# KiCad board srvant.kicad_pcb (continued)
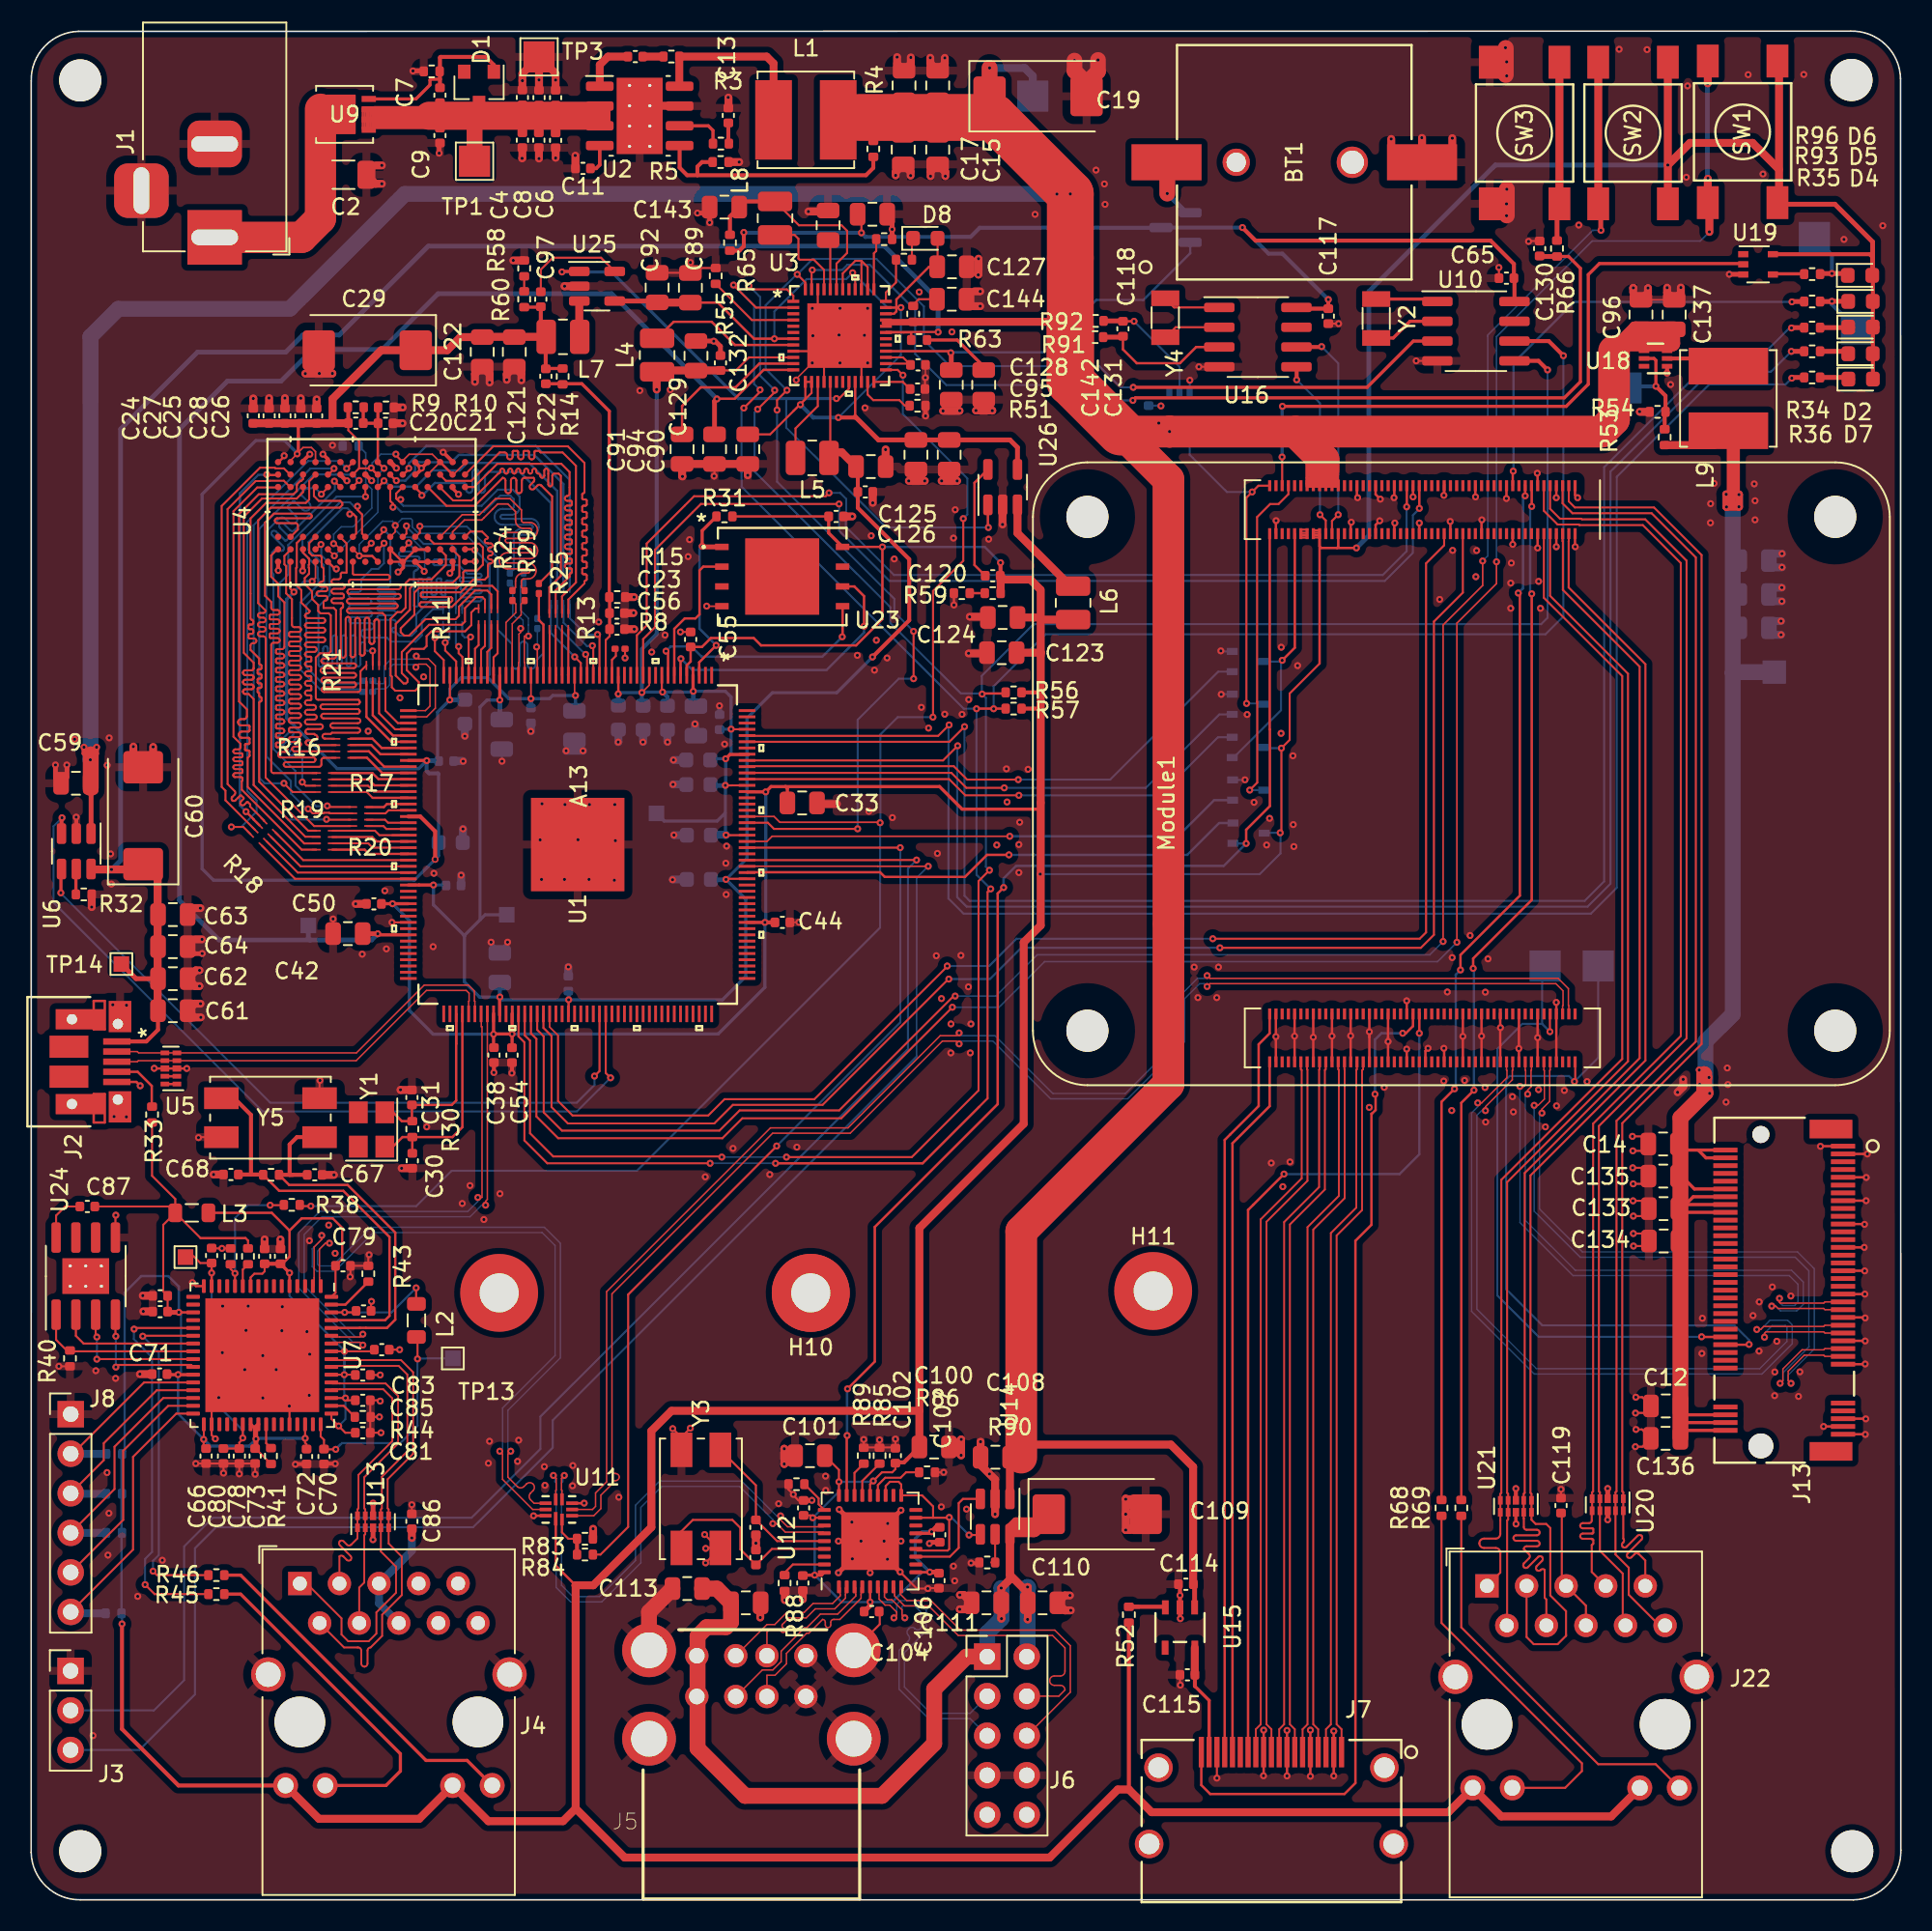
[diagram p0: board, top side]
## Nets (continued)
GND: BT1.2 C1.2 C2.2 C3.2 C4.2 C5.2 C6.2 C8.2 C9.2 C11.2 C12.2 C13.2 C14.2 C15.2 C16.2 C17.2 C18.2 C19.2 C21.2 C23.2 C24.2 C25.2 C26.2 C27.2 C28.2 C29.2 C30.1 C31.1 C32.1 C33.1 C34.1 C35.1 C36.1 C37.1 C38.1 C39.1 C40.1 C41.1 C42.2 C43.1 C44.1 C45.1 C46.1 C47.1 C48.1 C49.1 C50.1 C51.1 C52.1 C53.1 C54.1 C55.1 C56.1 C57.1 C58.1 C59.2 C60.2 C61.2 C62.2 C63.2 C64.2 C65.1 C66.2 C67.1 C68.1 C69.1 C70.2 C71.1 C72.1 C73.1 C74.2 C75.1 C76.2 C77.2 C78.2 C79.2 C80.2 C81.2 C82.2 C83.2 C84.2 C85.2 C86.2 C88.2 C89.1 C90.2 C91.2 C92.2 C93.2 C94.2 C95.2 C96.2 C98.2 C99.2 C100.2 C101.2 C102.2 C103.2 C104.2 C105.2 C106.2 C107.2 C108.2 C109.2 C110.2 C111.2 C112.2 C113.2 C114.2 C115.2 C116.2 C117.2 C119.2 C121.2 C122.2 C123.2 C124.2 C125.1 C126.2 C127.1 C128.2 C129.2 C130.2 C131.1 C132.1 C133.2 C134.2 C135.2 C136.2 C137.2 C138.2 C139.2 C140.2 C141.1 C142.1 C143.1 C144.1 C145.1 J1.2 J1.3 J2.5 J2.6 J3.1 J4.SH J5.4 J5.8 J5.MT1 J5.MT2 J5.MT3 J5.MT4 J6.7 J6.8 J7.2 J7.5 J7.8 J7.11 J7.17 J8.1 J13.1 J13.3 J13.9 J13.15 J13.21 J13.27 J13.33 J13.39 J13.45 J13.51 J13.57 J13.71 J13.73 J13.75 J22.SH Module1.1 Module1.2 Module1.7 Module1.8 Module1.13 Module1.14 Module1.22 Module1.23 Module1.32 Module1.33 Module1.42 Module1.43 Module1.52 Module1.53 Module1.59 Module1.60 Module1.65 Module1.66 Module1.71 Module1.74 Module1.98 Module1.107 Module1.108 Module1.113 Module1.114 Module1.119 Module1.120 Module1.125 Module1.126 Module1.131 Module1.132 Module1.137 Module1.138 Module1.144 Module1.150 Module1.155 Module1.156 Module1.161 Module1.162 Module1.167 Module1.168 Module1.173 Module1.174 Module1.179 Module1.180 Module1.185 Module1.186 Module1.191 Module1.192 Module1.197 Module1.198 Q1.2 Q2.2 Q5.2 R1.2 R5.2 R6.2 R8.1 R10.2 R15.2 R32.2 R39.2 R40.1 R43.1 R44.1 R51.1 R54.2 R55.1 R58.2 R59.2 R62.2 R83.2 R85.2 R86.2 R87.2 R88.1 R89.2 R90.2 SW3.3 SW3.4 TP3.1 U1.79 U1.177 U2.7 U2.9 U3.9 U3.16 U3.22 U3.46 U3.49 U4.A9 U4.B1 U4.B3 U4.B9 U4.D1 U4.D8 U4.E1 U4.E2 U4.E8 U4.F9 U4.G1 U4.G8 U4.G9 U4.J2 U4.J8 U4.L2 U4.M1 U4.M9 U4.P1 U4.P9 U4.T1 U4.T9 U5.3 U5.8 U6.2 U7.16 U7.34 U7.44 U7.65 U10.4 U11.5 U11.10 U12.37 U13.3 U13.8 U14.2 U15.2 U16.4 U17.3 U18.1 U19.3 U20.3 U20.8 U21.3 U21.8 U23.4 U24.5 U25.2 U26.2 Y3.2 Y3.4 Y5.2 Y5.4
/a13 connectors/BMC_DANGER_LED: R35.2 U1.171
/a13 connectors/BMC_ID_LED: R36.2 U1.172
/a13 connectors/BMC_nRPIBOOT: Q5.1 U1.155
/a13 connectors/BMC_POST_COMPLETE: Q3.2 U1.150
/a13 connectors/BMC_POWER_BUTTON: SW1.1 SW1.2 U1.103
/a13 connectors/BMC_POWER_LED: R34.2 U1.168
/a13 connectors/BMC_POWER_OUT: Q1.1 U1.166
/a13 connectors/BMC_PS_PWROK: Q4.2 U1.165
/a13 connectors/BMC_RESET_BUTTON: SW2.1 SW2.2 U1.104
/a13 connectors/BMC_RESET_OUT: Q2.1 U1.167
/a13 connectors/HOST_GLOBAL_EN: Module1.99 Q1.3 U17.4
/a13 connectors/HOST_nEXTRST: Module1.100 Q3.1 U12.26
/a13 connectors/HOST_nRPIBOOT: Module1.93 Q5.3
/a13 connectors/HOST_RUN_PG: Module1.92 Q2.3 Q4.1
/a13 connectors/TWI1_SCK: Module1.38 U1.105
/a13 connectors/TWI1_SDA: Module1.44 U1.106
/a13 connectors/UART1_RX: J3.3 U1.151
/a13 connectors/UART1_TX: J3.2 U1.152
/a13 connectors/UART3_RX: Module1.55 U1.13
/a13 connectors/UART3_TX: Module1.51 U1.12
/a13 connectors/USB0_N: U1.95 U7.58
/a13 connectors/USB0_P: U1.96 U7.59
/a13 connectors/USB_SELECT: R84.1 U1.154
/a13 RAM/A0: R19.8 U4.N3
/a13 RAM/A1: R16.6 U4.P7
/a13 RAM/A2: R20.6 U4.P3
/a13 RAM/A3: R20.5 U4.N2
/a13 RAM/A4: R16.5 U4.P8
/a13 RAM/A5: R20.7 U4.P2
/a13 RAM/A6: R16.7 U4.R8
/a13 RAM/A7: R18.7 U4.R2
/a13 RAM/A8: R16.8 U4.T8
/a13 RAM/A9: R18.5 U4.R3
/a13 RAM/A10: R21.6 U4.L7
/a13 RAM/A11: R17.5 U4.R7
/a13 RAM/A12: R21.8 U4.N7
/a13 RAM/A13: R20.8 U4.T3
/a13 RAM/a13_XI: C30.2 R30.2 U1.92 Y1.1
/a13 RAM/a13_XO: C31.2 R30.1 U1.91 Y1.2
/a13 RAM/BA0: R19.7 U4.M2
/a13 RAM/BA1: R21.7 U4.N8
/a13 RAM/BA2: R19.6 U4.M3
/a13 RAM/CASN: R17.8 U4.K3
/a13 RAM/CKE: R21.5 U4.K9
/a13 RAM/CLK_N: R28.2 U4.K7
/a13 RAM/CLK_P: R27.2 U4.J7
/a13 RAM/D0: R7.1 U4.E3
/a13 RAM/D1: R12.8 U4.F7
/a13 RAM/D2: R7.4 U4.F2
/a13 RAM/D3: R12.7 U4.F8
/a13 RAM/D4: R7.2 U4.H3
/a13 RAM/D5: R12.5 U4.H8
/a13 RAM/D6: R7.3 U4.G2
/a13 RAM/D7: R12.6 U4.H7
/a13 RAM/D8: R11.6 U4.D7
/a13 RAM/D9: R13.8 U4.C3
/a13 RAM/D10: R11.8 U4.C8
/a13 RAM/D11: R13.6 U4.C2
/a13 RAM/D12: R11.5 U4.A7
/a13 RAM/D13: R13.5 U4.A2
/a13 RAM/D14: R11.7 U4.B8
/a13 RAM/D15: R13.7 U4.A3
/a13 RAM/DDR3_A0: R19.1 U1.64
/a13 RAM/DDR3_A1: R16.3 U1.52
/a13 RAM/DDR3_A2: R20.3 U1.66
/a13 RAM/DDR3_A3: R20.4 U1.65
/a13 RAM/DDR3_A4: R16.4 U1.51
/a13 RAM/DDR3_A5: R20.2 U1.67
/a13 RAM/DDR3_A6: R16.2 U1.54
/a13 RAM/DDR3_A7: R18.2 U1.71
/a13 RAM/DDR3_A8: R16.1 U1.55
/a13 RAM/DDR3_A9: R18.4 U1.69
/a13 RAM/DDR3_A10: R21.3 U1.48
/a13 RAM/DDR3_A11: R17.4 U1.56
/a13 RAM/DDR3_A12: R21.1 U1.50
/a13 RAM/DDR3_A13: R20.1 U1.68
/a13 RAM/DDR3_A14: R17.3 U1.57
/a13 RAM/DDR3_BA0: R19.2 U1.63
/a13 RAM/DDR3_BA1: R21.2 U1.49
/a13 RAM/DDR3_BA2: R19.3 U1.61
/a13 RAM/DDR3_CAS: R17.1 U1.59
/a13 RAM/DDR3_CK_N: R28.1 U1.46
/a13 RAM/DDR3_CK_P: R27.1 U1.45
/a13 RAM/DDR3_CKE: R21.4 U1.47
/a13 RAM/DDR3_D0: R7.8 U1.22
/a13 RAM/DDR3_D1: R12.1 U1.40
/a13 RAM/DDR3_D2: R7.5 U1.19
/a13 RAM/DDR3_D3: R12.2 U1.41
/a13 RAM/DDR3_D4: R7.7 U1.21
/a13 RAM/DDR3_D5: R12.4 U1.44
/a13 RAM/DDR3_D6: R7.6 U1.20
/a13 RAM/DDR3_D7: R12.3 U1.42
/a13 RAM/DDR3_D8: R11.3 U1.37
/a13 RAM/DDR3_D9: R13.1 U1.27
/a13 RAM/DDR3_D10: R11.1 U1.39
/a13 RAM/DDR3_D11: R13.3 U1.25
/a13 RAM/DDR3_D12: R11.4 U1.36
/a13 RAM/DDR3_D13: R13.4 U1.24
/a13 RAM/DDR3_D14: R11.2 U1.38
/a13 RAM/DDR3_D15: R13.2 U1.26
/a13 RAM/DDR3_DQM0: R26.1 U1.29
/a13 RAM/DDR3_DQM1: R25.1 U1.28
/a13 RAM/DDR3_DSQ0_N: R22.1 U1.32
/a13 RAM/DDR3_DSQ0_P: R23.1 U1.31
/a13 RAM/DDR3_DSQ1_N: R24.1 U1.34
/a13 RAM/DDR3_DSQ1_P: R29.1 U1.33
/a13 RAM/DDR3_ODT: R18.1 U1.72
/a13 RAM/DDR3_RAS: R17.2 U1.58
/a13 RAM/DDR3_RST: R18.3 U1.70
/a13 RAM/DDR3_WE: R19.4 U1.60
/a13 RAM/DQM0: R26.2 U4.E7
/a13 RAM/DQM1: R25.2 U4.D3
/a13 RAM/DQS0_N: R22.2 U4.G3
/a13 RAM/DQS0_P: R23.2 U4.F3
/a13 RAM/DQS1_N: R24.2 U4.B7
/a13 RAM/DQS1_P: R29.2 U4.C7
/a13 RAM/DZQ: R8.2 U1.17
/a13 RAM/ODT: R18.8 U4.K1
/a13 RAM/RASN: R17.7 U4.J3
/a13 RAM/RST: R18.6 U4.T2
/a13 RAM/WEN: R19.5 U4.L3
/a13 RAM/ZQ: R6.1 U4.L8
/a13 usb/ethernet/EECLK: U7.23 U24.2
/a13 usb/ethernet/EECS: R40.2 U7.24 U24.1
/a13 usb/ethernet/EEDI: U7.26 U24.4
/a13 usb/ethernet/EEDO: U7.25 U24.3
/a13 usb/ethernet/NLNKA_LED: R45.2 U7.21
/a13 usb/ethernet/NSPD_LED: R46.2 U7.22
/a13 usb/ethernet/nTRST: J8.2 R47.1 U7.28
/a13 usb/ethernet/PIN40/TEST3: R43.2 U7.63
/a13 usb/ethernet/RX_N: J4.4 U7.53 U13.2 U13.9
/a13 usb/ethernet/RX_P: J4.3 U7.52 U13.1 U13.10
/a13 usb/ethernet/TCK: J8.6 R50.1 U7.32
/a13 usb/ethernet/TDI: J8.4 R49.1 U7.30
/a13 usb/ethernet/TDO: J8.5 U7.31
/a13 usb/ethernet/TMS: J8.3 R48.1 U7.29
/a13 usb/ethernet/TX_N: J4.2 U7.56 U13.5 U13.6
/a13 usb/ethernet/TX_P: J4.1 U7.55 U13.4 U13.7
/a13 usb/ethernet/USB2_N: U7.1 U11.8
/a13 usb/ethernet/USB2_P: U7.2 U11.9
/a13 usb/ethernet/XI: C68.2 R37.1 U7.61 Y5.3
/a13 usb/ethernet/XO: C67.2 R37.2 U7.60 Y5.1
/BMC PMU/+BATT: C65.2 C117.1 C141.2 D3.3 R65.2 U3.38 U3.39 U3.42 U10.8 U16.8
/BMC PMU/CHGLED: R64.1 U3.36
/BMC PMU/EXTEN: U3.20 U25.1 U26.1
/BMC PMU/IPSOUT: C88.1 C89.2 C90.1 C92.1 C93.1 C127.2 D8.2 U3.7 U3.13 U3.14 U3.21 U3.34 U3.35 U3.40 U25.4 U26.4
/BMC PMU/NMI_N: U1.158 U3.48 U10.3
/BMC PMU/PWRON: C130.1 R66.1 U3.47
/BMC PMU/TWI0-SCK: R57.1 U1.101 U3.2 U10.6
/BMC PMU/TWIO-SDA: R56.2 U1.102 U3.1 U10.5
/BMC power/SPI0_CLK: U1.6 U23.6
/BMC power/SPI0_CSO: R31.1 U1.3 U23.1
/BMC power/SPI0_MISO: U1.7 U23.2
/BMC power/SPI0_MOSI: U1.8 U23.5
/BMC power/SVREF: C22.2 C23.1 C56.2 R14.2 R15.1 U1.18
/BMC power/USB0_DRV: U1.115 U6.3
/BMC power/USB0_nFAULT: U1.114 U6.4
/BMC power/USB_IDDET: J2.4 R33.2
/BMC power/USB_OTG_N: J2.2 U1.94 U5.5 U5.6
/BMC power/USB_OTG_P: J2.3 U1.93 U5.4 U5.7
/cm4/CM4_GPIO ( Ethernet, GPIO, SDCARD)/ETH_LEDG: Module1.17 R68.2
/cm4/CM4_GPIO ( Ethernet, GPIO, SDCARD)/ETH_LEDY: Module1.15 R69.2
/cm4/CM4_GPIO ( Ethernet, GPIO, SDCARD)/nPWR_LED: Module1.95 U19.2
/cm4/CM4_GPIO ( Ethernet, GPIO, SDCARD)/SCL0: Module1.80 U16.6
/cm4/CM4_GPIO ( Ethernet, GPIO, SDCARD)/SDA0: Module1.82 U16.5
/cm4/CM4_GPIO ( Ethernet, GPIO, SDCARD)/TRD0_N: J22.2 Module1.10 U21.4 U21.7
/cm4/CM4_GPIO ( Ethernet, GPIO, SDCARD)/TRD0_P: J22.1 Module1.12 U21.5 U21.6
/cm4/CM4_GPIO ( Ethernet, GPIO, SDCARD)/TRD1_N: J22.4 Module1.6 U21.2 U21.9
/cm4/CM4_GPIO ( Ethernet, GPIO, SDCARD)/TRD1_P: J22.3 Module1.4 U21.1 U21.10
/cm4/CM4_GPIO ( Ethernet, GPIO, SDCARD)/TRD2_N: J22.8 Module1.9 U20.4 U20.7
/cm4/CM4_GPIO ( Ethernet, GPIO, SDCARD)/TRD2_P: J22.7 Module1.11 U20.5 U20.6
/cm4/CM4_GPIO ( Ethernet, GPIO, SDCARD)/TRD3_N: J22.10 Module1.5 U20.2 U20.9
/cm4/CM4_GPIO ( Ethernet, GPIO, SDCARD)/TRD3_P: J22.9 Module1.3 U20.1 U20.10
/cm4/CM4_HighSpeed/HDMI0_CEC: J7.13 Module1.151
/cm4/CM4_HighSpeed/HDMI0_CK_N: J7.12 Module1.190
/cm4/CM4_HighSpeed/HDMI0_CK_P: J7.10 Module1.188
/cm4/CM4_HighSpeed/HDMI0_D0_N: J7.9 Module1.184
/cm4/CM4_HighSpeed/HDMI0_D0_P: J7.7 Module1.182
/cm4/CM4_HighSpeed/HDMI0_D1_N: J7.6 Module1.178
/cm4/CM4_HighSpeed/HDMI0_D1_P: J7.4 Module1.176
/cm4/CM4_HighSpeed/HDMI0_D2_N: J7.3 Module1.172
/cm4/CM4_HighSpeed/HDMI0_D2_P: J7.1 Module1.170
/cm4/CM4_HighSpeed/HDMI0_HOTPLUG: J7.19 Module1.153
/cm4/CM4_HighSpeed/HDMI0_SCL: J7.15 Module1.200
/cm4/CM4_HighSpeed/HDMI0_SDA: J7.16 Module1.199
/cm4/CM4_HighSpeed/HDMI_5v: C115.1 J7.18 U15.5
/cm4/CM4_HighSpeed/nRTC_INT: C118.2 R91.1 U16.3
/cm4/CM4_HighSpeed/PCIE_CLK_N: J13.53 Module1.112
/cm4/CM4_HighSpeed/PCIE_CLK_P: J13.55 Module1.110
/cm4/CM4_HighSpeed/PCIE_RX_N: J13.41 Module1.118
/cm4/CM4_HighSpeed/PCIE_RX_P: J13.43 Module1.116
/cm4/CM4_HighSpeed/PCIE_TX_N: J13.47 Module1.124
/cm4/CM4_HighSpeed/PCIE_TX_P: J13.49 Module1.122
/cm4/CM4_HighSpeed/USB2_N: Module1.103 U11.4
/cm4/CM4_HighSpeed/USB2_P: Module1.105 U11.3
/cm4/PCIe-connector/PCIe_nCLKREQ: J13.52 Module1.102 TP9.1
/cm4/PCIe-connector/PCIe_nRST: J13.50 Module1.109 TP10.1
/cm4/USB2-HUB/HD1_N: J5.2 U12.1
/cm4/USB2-HUB/HD1_P: J5.3 U12.2
/cm4/USB2-HUB/HD2_N: J5.6 U12.3
/cm4/USB2-HUB/HD2_P: J5.7 U12.4
/cm4/USB2-HUB/HD3_N: J6.3 U12.6
/cm4/USB2-HUB/HD3_P: J6.5 U12.7
/cm4/USB2-HUB/HD4_N: J6.4 U12.8
/cm4/USB2-HUB/HD4_P: J6.6 U12.9
/cm4/USB2-HUB/nOCS1: U12.13 U12.17 U12.19 U12.21 U14.4
/cm4/USB2-HUB/PWR1: U12.12 U14.3
/cm4/USB2-HUB/USBH_N: U11.6 U12.30
/cm4/USB2-HUB/USBH_P: U11.7 U12.31
/cm4/USB2-HUB/XTALIN: C98.1 U12.33 Y3.1
/cm4/USB2-HUB/XTALOUT: C99.1 U12.32 Y3.3
/nRESET: R38.2 U1.159 U3.25
Net-(BT1-Pad1): BT1.1 D3.1
Net-(C2-Pad1): C2.1 J1.1 U9.5 U9.6 U9.7 U9.8
Net-(C7-Pad1): C7.1 D1.2 R1.1 U9.4
Net-(C10-Pad1): C10.1 R2.2
Net-(C10-Pad2): C10.2 U2.1
Net-(C11-Pad1): C11.1 U2.4
Net-(C13-Pad1): C13.1 R3.2
Net-(C20-Pad2): C20.2 C21.1 R9.2 R10.1 U4.H1 U4.M8
Net-(C86-Pad1): C86.1 J4.5 J4.6
Net-(C87-Pad1): C87.1 U24.8
Net-(C91-Pad1): C91.1 U3.11
Net-(C95-Pad1): C95.1 U3.24
Net-(C97-Pad1): C97.1 U25.5
Net-(C118-Pad1): C118.1 R92.1 U17.2
Net-(C119-Pad1): C119.1 J22.5 J22.6
Net-(C120-Pad1): C120.1 U26.5
Net-(C131-Pad2): C131.2 R63.2
Net-(C143-Pad2): C143.2 L8.2 R65.1 U3.43
Net-(C144-Pad2): C144.2 R67.2
Net-(C145-Pad2): C145.2 U3.44
Net-(D2-Pad1): D2.1 R34.1
Net-(D4-Pad1): D4.1 R35.1
Net-(D5-Pad1): D5.1 R93.1 TP5.1
Net-(D6-Pad1): D6.1 R96.1 TP6.1
Net-(D7-Pad1): D7.1 R36.1
Net-(D8-Pad1): D8.1 R64.2
Net-(J4-Pad12): J4.12 R45.1
Net-(J4-Pad14): J4.14 R46.1
Net-(J22-Pad12): J22.12 R68.1
Net-(J22-Pad14): J22.14 R69.1
Net-(L1-Pad1): L1.1 R2.1 U2.8
Net-(L4-Pad2): L4.2 U3.8
Net-(L5-Pad2): L5.2 U3.15
Net-(L6-Pad1): L6.1 U26.3
Net-(L7-Pad1): L7.1 U25.3
Net-(L8-Pad1): L8.1 U3.45
Net-(L9-Pad1): L9.1 U18.2
Net-(Module1-Pad21): Module1.21 R93.2
Net-(R3-Pad1): R3.1 U2.6
Net-(R4-Pad2): R4.2 R5.1 U2.5
Net-(R32-Pad1): R32.1 U6.5
Net-(R38-Pad1): R38.1 R39.1 U7.12
Net-(R41-Pad2): R41.2 U7.41
Net-(R42-Pad2): R42.2 U7.11
Net-(R44-Pad2): R44.2 U7.50
Net-(R51-Pad2): R51.2 U3.23
Net-(R52-Pad2): R52.2 U15.3
Net-(R55-Pad2): R55.2 U3.4
Net-(R58-Pad1): R58.1 R60.1
Net-(R59-Pad1): R59.1 R61.1
Net-(R62-Pad1): R62.1 U3.37
Net-(R66-Pad2): R66.2 SW3.1 SW3.2
Net-(R83-Pad1): R83.1 R84.2 U11.2
Net-(R85-Pad1): R85.1 U12.24
Net-(R86-Pad1): R86.1 U12.22
Net-(R87-Pad1): R87.1 U12.28
Net-(R88-Pad2): R88.2 U12.35
Net-(R89-Pad1): R89.1 U12.25
Net-(R90-Pad1): R90.1 U14.5
Net-(R96-Pad2): R96.2 U19.4
Net-(U5-Pad1): U5.1 U5.10
Net-(U5-Pad2): U5.2 U5.9
Net-(U10-Pad1): U10.1 Y2.2
Net-(U10-Pad2): U10.2 Y2.1
Net-(U16-Pad1): U16.1 Y4.2
Net-(U16-Pad2): U16.2 Y4.1

Pads without a net: BT1 3 4; H9 1; H10 1; H11 1; J2 7 8 9 10 12; J4 7 8 9 10; J6 9 10; J7 14 20 21 22 23; J13 5 6 7 8 10 11 13 17 19 20 22 23 24 25 26 28 29 30 31 32 34 35 36 37 38 40 42 44 46 48 54 56 58 67 68 69 76 77; Module1 16 18 19 20 24 25 26 27 28 29 30 31 34 35 36 37 39 40 41 45 46 47 48 49 50 54 56 57 58 61 62 63 64 67 68 69 70 72 73 75 76 89 91 94 96 97 101 104 106 111 115 117 121 123 127 128 129 130 133 134 135 136 139 140 141 142 143 145 146 147 148 149 152 154 157 158 159 160 163 164 165 166 169 171 175 177 181 183 187 189 193 194 195 196; R17 6; U1 1 2 10 14 15 74 75 77 78 80 82 83 84 85 86 87 88 89 90 99 107 108 110 111 112 113 116 117 118 119 120 121 122 123 124 125 126 127 128 129 130 131 132 133 134 135 136 137 138 139 140 141 143 144 145 146 147 148 153 157 160 161 162 170 174 175 176; U3 3 5 6 18 19 29 30 41; U4 J1 J9 L1 L9 M7 T7; U7 3 4 6 7 8 9 13 14 17 18 20 35 36 37 42 43 45 47; U10 7; U12 11 14 16 18 20 34; U15 4; U16 7; U17 1; U18 6; U19 1; U23 3 7 9; U24 6 7 9; Y1 3 4

## Via types
v1: diameter 0.45, hole 0.2, Top to Bottom, 847 vias
v2: diameter 0.45, hole 0.25, Top to Bottom, 1 via

## Routing (per net, layer and track width the routed paths; a pad name or vN(x,y) marks a point on that pad's centre or on a via; arc(x,y) is an arc through that point)
/+1.2v_CPU: length 70.8
  Top w0.102: 44.92,68.37 44.61,68.37 v1(44.6,68.38) ; v1(39.2,77.53) 39.68,78.01 39.68,78.8 ; 37.69,77.45 v1(37.68,77.44)
  Top w0.127: v1(44.56,71.57) 45,71.57 45.01,71.58
  Top w0.13: v1(40.53,77.56) 40.48,77.61 U1.9 ; U1.173 44.94,75.17 v1(44.93,75.18) ; v1(44.6,68.38) 44.61,68.37 U1.156 ; v1(44.56,71.57) U1.164 ; 40.27,98.22 L4.1 ; U3.10 46.07,99.05 45.24,98.22 C132.2
  Top w0.152: 37.69,78.57 37.69,77.45
  Top w0.203: v1(44.58,73.28) 44.85,73.55 46.05,73.55 ; 42.49,78.66 42.49,77.65
  Top w0.508: v1(40.15,96.99) 40.15,98.1 L4.1 ; C132.2 40.27,98.22
  Bottom w0.102: 37.68,76.52 37.69,76.51 ; 37.6,77.39 37.63,77.39 v1(37.68,77.44) ; 39.53,76.65 39.71,76.65 ; 44.15,75.14 44.14,75.15
  Bottom w0.127: 43.36,73.26 43.36,73.38 43.49,73.5 ; v1(39.2,77.53) 39.19,77.52 39.14,77.52 ; 44.57,71.5 44.57,71.56 v1(44.56,71.57) ; 37.74,77.53 37.6,77.39 ; 44.04,71.56 43.92,71.44 ; v1(42.5,77.61) 42.45,77.56 ; v1(44.6,68.38) 44.57,68.41
  Bottom w0.13: 44.17,75.18 44.14,75.15
  Bottom w0.152: 39.2,76.77 C45.2 39.31,76.65 39.53,76.65 ; 44.56,69.81 44.52,69.77
  Bottom w0.203: v1(42.5,77.61) 44.56,77.61 44.93,77.24 v1(44.93,75.18) ; v1(44.93,75.18) 44.93,73.63 v1(44.58,73.28) ; v1(44.93,75.18) 44.17,75.18 ; v1(44.58,73.28) 43.38,73.28 43.36,73.26 ; v1(44.58,73.28) 44.58,71.51 44.57,71.5 ; v1(44.56,71.57) 44.56,68.42 v1(44.6,68.38) ; 44.52,69.77 44.03,69.28 40.63,69.28 TP15.1 ; v1(39.2,77.53) 37.74,77.53 ; 39.14,77.52 39.18,77.56 v1(40.53,77.56) 42.45,77.56
  Bottom w0.254: v1(40.15,96.99) 40.15,81.28 39.2,80.33 v1(39.2,77.53) 39.2,76.77 ; v1(40.53,77.56) 40.84,77.25 C48.2
  Bottom w0.305: v1(37.68,77.44) 37.68,76.52 ; 44.04,71.56 44.55,71.56 v1(44.56,71.57) ; v1(42.5,77.61) 42.5,76.94
  Bottom w0.508: v1(44.6,68.38) 44.58,68.4 43.89,68.4 43.66,68.17
/+1.2v_INT: length 104.2
  Top w0.102: v1(44.6,65.53) 44.66,65.53 44.69,65.5 ; 30.09,77.05 v1(30.08,77.05) ; v1(30.08,57.98) 30.07,57.96
  Top w0.13: U3.17 51.29,93.22 ; 51.29,93.22 51.29,93.14 ; 51.29,93.22 51.56,92.96 ; U1.149 44.64,65.57 v1(44.6,65.53)
  Top w0.147: 34.5,56.77 34.5,57.8
  Top w0.203: U1.73 v1(25.82,65.17) ; 30.09,77.05 30.08,77.06 U1.35 ; 30.07,57.96 30.07,56.82
  Top w0.254: v1(54,79.82) 56.36,82.17 56.36,86.09 53.06,89.39 C126.1 53.06,91.93 C125.2
  Top w0.508: 51.56,92.96 52.03,92.96 C125.2
  Bottom w0.102: 30.09,77.05 v1(30.08,77.05) ; 30.14,57.99 30.13,57.98 v1(30.08,57.98) ; 43.65,65.51 C51.2
  Bottom w0.13: 34.5,58.34 C41.2 ; 30.05,58.01 v1(30.08,57.98)
  Bottom w0.203: C36.2 26.6,65.17 v1(25.82,65.17) 25.82,63.9 27.8,61.92 ; TP16.1 29.14,63.26 27.8,61.93 ; 30.05,58.01 30.26,57.8 v1(34.5,57.8) 44.37,57.8 45.87,59.3 45.87,64.26 v1(44.6,65.53) 45.95,66.88 45.95,75.89 47.58,77.52 51.71,77.52 v1(54,79.82) ; v1(30.08,57.98) 28.78,57.98 27.81,58.95 27.81,61.91 ; 28.81,62.97 28.81,76.6 29.26,77.05 v1(30.08,77.05)
  Bottom w0.254: v1(44.6,65.53) 44.68,65.53 ; 27.81,61.91 27.8,61.92 27.8,61.93 ; v1(30.08,57.98) 30.08,58.45 ; v1(34.5,57.8) 34.5,58.34
  Bottom w0.305: v1(30.08,77.05) 30.08,75.93 C37.2 ; 44.49,65.51 43.65,65.51
/+1.5v: length 192.2
  Top w0.1: 17.17,94 17.15,93.98 ; 17.06,92.84 16.65,92.43 U4.R1 16.71,92.27 16.72,92.27 ; 24.65,85.89 v1(25.23,85.31) ; 16.65,92.44 16.65,92.3 ; 23.85,92.42 24.26,92.83 25.75,92.83 U4.C1 U4.D2 ; U4.K2 20.72,91.53 ; 18.25,92.3 18.25,93 17.99,93.26 17.45,93.26 17.15,92.96 ; 27.07,91.5 27.85,92.28 ; 18.25,85.9 18.25,84.89 v1(18.04,84.67) ; v1(17.08,92.86) 17.07,92.86 ; v1(28.48,86.69) 28.44,86.73 ; 20.69,86.7 21.06,86.33 ; U4.G7 23.37,87.85 v1(23.37,88.26) ; 21.81,91.95 21.9,91.86 ; 16.8,84.02 16.61,84.21 16.61,85.86 ; 24.78,85.93 24.72,85.87 ; v1(16.87,83.99) 16.63,84.23 16.63,85.91 U4.R9 ; 26.25,85.9 24.65,85.9 ; 26.32,85.87 26.26,85.93 ; 22.22,91.5 21.83,91.89 ; 21.07,93.66 21.06,93.67
  Top w0.102: U1.23 34.88,77.4 v1(34.94,77.34) ; v1(32.08,77.14) 32.08,77.14 U1.30 ; v1(25.39,73.16) 25.39,73.06 ; U4.K8 20.71,86.73
  Top w0.127: v1(26.87,77.06) 26.88,77.07 U1.43 ; 22.29,91.47 21.9,91.86 ; v1(23.41,92.84) 23.41,92.77 U4.F1 23.86,92.33 ; 21.81,91.95 21.8,91.93 21.05,91.93 ; 21.07,93.66 21.05,93.64 21.05,91.93 ; 21.05,91.93 U4.K2 ; C20.1 20.36,94.37 21.06,93.67
  Top w0.13: 33.03,100.34 L7.2 32.71,100.72 ; C28.1 17.15,94.66 ; 33.05,98.34 C22.1 ; 32.68,102.28 C97.2
  Top w0.147: 21.13,86.3 21.89,86.3 22.32,85.87 ; 28.44,86.73 U4.A8
  Top w0.152: 27.05,91.54 U4.B2 U4.C1 ; 24.72,85.86 25.3,85.29 ; 26.26,85.93 24.78,85.93 ; 20.36,95.82 R9.1
  Top w0.203: R60.2 32.68,102.28 ; 25.28,73.17 U1.53 ; 34.02,98.34 33.05,98.34 ; 17.06,92.84 17.15,92.93 17.15,94.66
  Top w0.254: v2(25.93,66.82) 25.93,68.62 24.98,69.57 U1.62 ; C22.1 33.03,98.33 33.03,100.34 ; C20.1 20.36,95.82 ; C97.2 32.71,100.72
  Top w0.305: 29.07,100.37 28.95,100.26
  Top w0.508: C26.1 19.35,94.82 19.35,96.39 22.47,99.51 C29.1 26.71,99.51 27.55,100.36 C122.1 ; C26.1 C24.1 ; C26.1 18.33,94.83 C20.1 ; 25.19,99.85 25.21,99.86 ; 32.86,100.37 29.07,100.37
  Bottom w0.1: v1(23.37,88.26) 23.37,88.36 23.2,88.53 22.56,88.53 21.06,87.04 21.06,86.33 21.09,86.3 ; v1(23.37,88.26) 23.37,87.98 23.85,87.5 24.37,87.5 25.25,86.61 25.25,86.54 ; v1(23.37,88.26) 23.81,88.7 24.37,88.7 24.46,88.61 24.46,88.16 24.87,87.75 27.82,87.75 28.5,87.07 28.5,86.66 ; 17.99,84.68 17.5,84.68 16.82,84 ; v1(23.41,92.84) 22.45,92.84 21.9,92.29 21.9,91.86 ; 25.25,85.29 25.25,86.6 ; 27.82,77.06 C32.2 ; 29.27,78.53 29.31,78.48 ; 24.82,87.8 24.64,87.98 ; 26.2,73.16 26.2,72.94
  Bottom w0.102: v1(34.94,77.34) 34.83,77.45 ; 32.09,77.13 v1(32.08,77.14) ; 34.94,76.43 C43.2
  Bottom w0.147: 28.5,86.66 29.42,85.75
  Bottom w0.152: 29.27,78.53 29.42,78.68 29.42,85.75 ; v1(16.87,83.99) 17.55,84.67 v1(18.04,84.67)
  Bottom w0.203: v1(16.87,83.99) 16.4,83.52 16.4,75.89 19.64,72.65 24.87,72.65 v1(25.39,73.16) ; 34.94,76.43 v1(34.94,77.34) 33.48,77.34 33.28,77.14 30.66,77.14 29.31,78.48 27.6,78.48 26.87,77.75 v1(26.87,77.06) 26.09,76.27 26.09,73.2 ; 26.15,67.05 v2(25.93,66.82) 24.59,65.48 11.7,65.48 10.97,66.21 10.97,90.26 14.42,93.71 16.26,93.71 17.15,92.83 ; 26.15,67.04 26.15,72.3
  Bottom w0.254: v1(25.39,73.16) 25.39,72.49 25.54,72.34 26.11,72.34 26.15,72.3
  Bottom w0.305: v1(32.08,77.14) C57.2 ; 26.2,73.16 v1(25.39,73.16) ; 26.09,73.2 C52.2 ; v1(26.87,77.06) 27.82,77.06
  vias: v1(21.06,86.31) v1(21.83,91.95)
/+3.0v: length 97.2
  Top w0.13: v1(22.25,62.04) 22.21,62
  Top w0.152: 44.03,96.4 45.16,96.4 47.01,98.25 U3.12
  Top w0.203: 22.32,61.97 U1.81
  Top w0.305: 44.03,96.4 43.86,96.23 C94.1 ; v1(22.25,62.04) 21.14,62.04
  Bottom w0.305: 17.9,61.64 12.06,61.64 9.52,64.18 9.52,94.45 12.6,97.53 16.04,97.53 18.07,99.56 22.54,99.56 26.12,103.14 37.26,103.14 v1(44.02,96.39) ; 17.9,61.64 21.85,61.64 v1(22.25,62.04) ; 17.9,61.64 17.79,61.75 TP17.1 17.78,62.56
/+3.3v: length 611.9
  Top w0.09: 64.82,80.1 64.82,79.95 64.8,79.93 ; 64.78,82.35 64.8,82.33
  Top w0.102: 64.77,77.54 64.8,77.51 ; 64.74,76.5 64.8,76.44
  Top w0.127: 118.54,101.02 118.51,100.98 118.5,100.98
  Top w0.13: 82.7,79.39 80.78,77.47 80.78,74.49 v1(80.25,73.96) 80.25,68.6 ; 82.7,87.78 82.69,87.79 82.3,87.79 82.3,87.78 ; 112.19,108.89 112.19,111.13 ; C101.1 51.85,27.61 v1(51.85,26.85) U12.27 ; 82.7,85.37 82.7,85.34 ; v1(9.48,37.73) 9.48,37.73 9.61,37.73 9.6,37.73 ; C66.1 11.07,29.13 v1(11.07,29.57) ; 82.7,87.33 Module1.84 ; C87.2 8.84,44.53 L3.1 ; 14.34,29.69 v1(14.43,29.6) 14.44,29.61 ; 10.88,42.49 L3.1 ; L3.1 8.48,43.35 8.48,39.07 C75.2 C69.2 ; L3.1 9.25,45.01 7.76,46.5 R33.1 ; 55.47,28.1 55.47,27.66 55.27,27.46 54.61,27.46 v1(54.05,26.9) 53.85,26.7 U12.23 ; U12.29 v1(50.17,24.54) 50.01,24.69 C103.1 ; 82.29,87.49 82.69,87.49 ; 11.07,29.79 11.08,29.8 U7.33 ; 13.74,42.49 13.77,42.49 13.92,42.34 R42.1 ; 17.58,29.7 17.58,29.35 17.68,29.26 ; 17.58,29.7 17.58,29.65 v1(17.59,29.64) ; 17.58,29.7 U7.46 ; 8.71,33.74 9,33.74 9.01,33.76 ; 82.32,87.95 82.7,87.95 ; 14.43,29.03 C73.2 ; C73.2 14.4,28.98 R41.1 ; C73.2 14.34,29.02 14.44,29.12 ; 49.13,88.84 49.14,88.84 ; 82.29,87.64 82.69,87.64
  Top w0.147: 49.14,88.84 C58.2 ; R31.2 49.13,88.84 ; 64.91,82.22 64.8,82.33 ; 33.67,21.47 U11.1
  Top w0.152: U1.5 42.08,79.27 42.33,79.52 C55.2 43.06,80.46 43.63,81.03 46.38,81.03 46.85,80.56 52.95,80.56 54.64,82.25 v1(54.64,86.88) 54.63,86.89 U23.8 ; 62.22,85.05 C120.2 62.23,85 ; 83.82,86.82 82.81,86.82 82.7,86.93 82.7,87.33 ; 83.82,86.82 v1(85.06,86.82) ; 83.82,86.82 83.9,86.9 Module1.78 ; U12.10 57.67,21.04 v1(57.68,21.05) ; 9.6,37.73 9.58,37.7 9.5,37.7 ; U12.5 53.85,18.9 ; 82.7,79.39 Module1.84 ; 9.61,37.73 U7.19 ; 34.94,20.2 33.67,21.47 ; 64.8,70.05 64.8,70.45 ; 13.74,42.49 10.88,42.49
  Top w0.203: C105.1 49.56,20.85 v1(50.29,20.85) 50.73,20.85 U12.36 ; 48.42,71.49 58.31,71.49 59.76,70.04 64.79,70.04 64.8,70.05 ; 48.42,71.49 47.49,71.49 v1(47.15,71.15) 45.97,71.15 U1.163 ; 48.42,71.49 48.54,71.37 C33.2 ; 29.68,56.91 v1(29.68,55.59) ; v1(29.68,55.59) 29.69,55.61 v1(30.87,55.61) ; v1(29.68,55.59) 29.68,54.75 ; C58.2 51.19,87.78 U23.8 ; C50.2 22.49,63.97 U1.76 ; 30.87,56.91 v1(30.87,55.61) ; v1(30.87,55.61) 30.87,54.73 ; 14.34,29.69 14.34,30.29 14.1,30.54 U7.39 ; 8.71,33.74 8.72,33.73 U7.27 ; U12.15 57.7,23.54 v1(57.8,23.64) ; 45.92,62.77 v1(47.1,62.77)
  Top w0.254: U19.5 118.01,105.68 118.2,105.49 118.2,104.33 118.22,104.31 D7.2 ; 29.68,54.75 C38.2 ; 30.87,54.73 C54.2 ; J4.11 9.45,7.35 5.83,10.97 v1(5.83,17.72) ; 14.44,29.61 14.44,30.39 U7.40 ; 70.46,7.09 70.46,17.75 ; v1(62.22,85.87) 62.22,85.05 ; R56.1 64.77,77.54 ; v1(47.1,62.77) C44.2 ; C100.1 56.02,28.1 55.47,28.1 ; R57.2 64.74,76.5
  Top w0.305: 112.19,108.89 115.78,108.89 118.2,106.47 118.2,104.33 ; v1(53.85,19.13) 53.85,18.9 C104.1 ; v1(57.68,21.05) 58.2,21.05 C106.1 ; C107.1 58.09,23.92 v1(57.8,23.64) ; v1(14.43,29.6) 14.43,29.03 ; 9.5,37.7 9.47,37.73 8.98,37.73 ; 118.5,100.98 118.5,100.98
  Top w0.508: R61.2 62.23,85 ; 64.8,84.13 64.8,62.58 63.71,61.49 63.71,49.84 57.01,43.14 57.01,31.4 ; 34.95,5.87 34.95,20.19 34.94,20.2 36.08,20.2 39.81,23.93 39.81,30.11 41.1,31.4 57.01,31.4 ; 34.95,5.87 34.14,5.05 29.34,5.05 J4.13 24.91,5.21 18.47,5.21 J4.11 ; 34.95,5.87 38.1,2.72 65.38,2.72 69.75,7.09 70.46,7.09 71.92,5.63 90.97,5.63 J22.11 94.37,5.36 101.42,5.36 J22.13 ; v1(105.05,111.4) SW2.4 ; v1(105.05,111.4) 106.48,112.83 110.49,112.83 112.19,111.13 ; v1(105.05,111.4) SW2.3 ; 64.77,84.16 64.14,84.79 62.45,84.79 C120.2 ; 57.01,31.4 C100.1 ; 64.82,80.1 64.81,80.09 C123.1 ; L6.2 64.91,82.22 ; C124.1 64.78,82.35 ; 112.19,108.89 112.19,117.98
  Bottom w0.13: v1(9.43,33.73) 9.62,33.92 9.62,37.59 v1(9.48,37.73) ; v1(64.77,65.87) 78.86,65.87 80.19,67.2 80.19,68.51 v1(80.17,68.52) ; Q3.3 79.17,68.52 v1(80.17,68.52) ; R50.2 5.83,18.37 v1(5.83,17.72) ; 54.11,26.91 54.06,26.91 v1(54.05,26.9) ; 80.25,68.6 v1(80.17,68.52) ; v1(80.25,73.96) 79.14,73.96 Q4.3 ; v1(51.85,26.85) 51.85,26.22 v1(50.17,24.54) ; v1(14.43,29.6) 14.44,29.59 14.44,29.57
  Bottom w0.147: 54.11,26.91 54.05,26.85 v1(51.85,26.85)
  Bottom w0.152: v1(11.07,29.57) 9.43,31.21 v1(9.43,33.73) ; v1(57.68,21.05) 57.19,21.05 55.27,19.13 v1(53.85,19.13) 52.02,19.13 v1(50.29,20.85) 50.29,24.41 v1(50.17,24.54) ; R50.2 5.8,28.6 R47.2 6,28.8 6,38.99 7.06,40.06 8.8,40.06 9.48,39.38 v1(9.48,37.73) ; v1(54.64,86.88) 61.21,86.88 v1(62.22,85.87)
  Bottom w0.203: v1(11.07,29.57) 11.51,29.13 14,29.13 14.44,29.57 ; v1(47.15,71.15) 47.15,62.82 v1(47.1,62.77) 47.1,58.61 44.1,55.61 v1(30.87,55.61) 30.86,55.6 ; v1(29.68,55.59) 25.8,55.59 24.28,57.11 24.28,62.89 v1(23.2,63.97) ; v1(57.68,21.05) 56.74,21.99 56.74,23.19 57.19,23.64 v1(57.8,23.64) ; v1(14.43,29.6) 14.47,29.64 v1(17.59,29.64)
  Bottom w0.305: v1(105.05,111.4) 93.98,111.4 85.86,103.29 85.86,87.62 v1(85.06,86.82)
/+5v: length 336.1
  Top w0.09: 57.81,113.63 58.56,114.38
  Top w0.1: 65.85,100.07 66.7,100.91
  Top w0.102: 83.1,90.86 83.1,92.95 82.96,93.09 ; 82.96,93.09 83.9,92.15 83.9,90.86 ; 82.96,93.09 83.5,92.55 83.5,90.86 ; 82.96,93.09 82.7,92.83 82.7,92.78 ; 82.96,93.09 82.3,92.43 82.3,90.86 ; 81.9,91.98 82.7,92.78 ; 82.7,92.78 82.7,90.86 ; 3.83,72.96 3.48,73.3 ; 3.83,72.99 4.16,73.32 4.16,73.98 v1(4.2,74.02)
  Top w0.126: 65.79,100.13 65.85,100.07 ; 59.08,101.44 58.89,101.44
  Top w0.127: C108.1 63.35,28.42
  Top w0.13: U3.33 56.43,101.45 56.62,101.27 ; 56.47,101.27 56.62,101.42 ; U3.32 55.08,101.27 ; 103,100.85 102.09,99.95
  Top w0.2: 83.85,91.52 81.94,91.52 ; 83.91,91.14 81.91,91.14 ; 83.91,90.78 81.91,90.78 ; 81.91,91.31 83.82,91.31 83.85,91.29 ; 83.91,90.96 81.91,90.96
  Top w0.203: 82.38,93.05 81.9,92.56 81.9,90.86
  Top w0.254: 66.7,97.49 66.73,97.49 ; 61.52,117.64 v1(61.52,117.64)
  Top w0.305: 3.81,72.97 3.8,72.98 v1(3.8,73.21) ; 3.81,72.97 3.48,73.3 ; 3.81,72.97 4.16,73.32 ; v1(4.2,74.02) 4.2,73.61 v1(3.8,73.21) ; 74.68,20.21 U15.1 ; v1(3.39,74.02) 3.39,73.62 v1(3.8,73.21) ; 54.74,101.27 56.47,101.27 ; 3.81,68.51 U6.1 3.85,71.38 3.83,71.4